# KiCad board NoU2-panelized.kicad_pcb (continued)
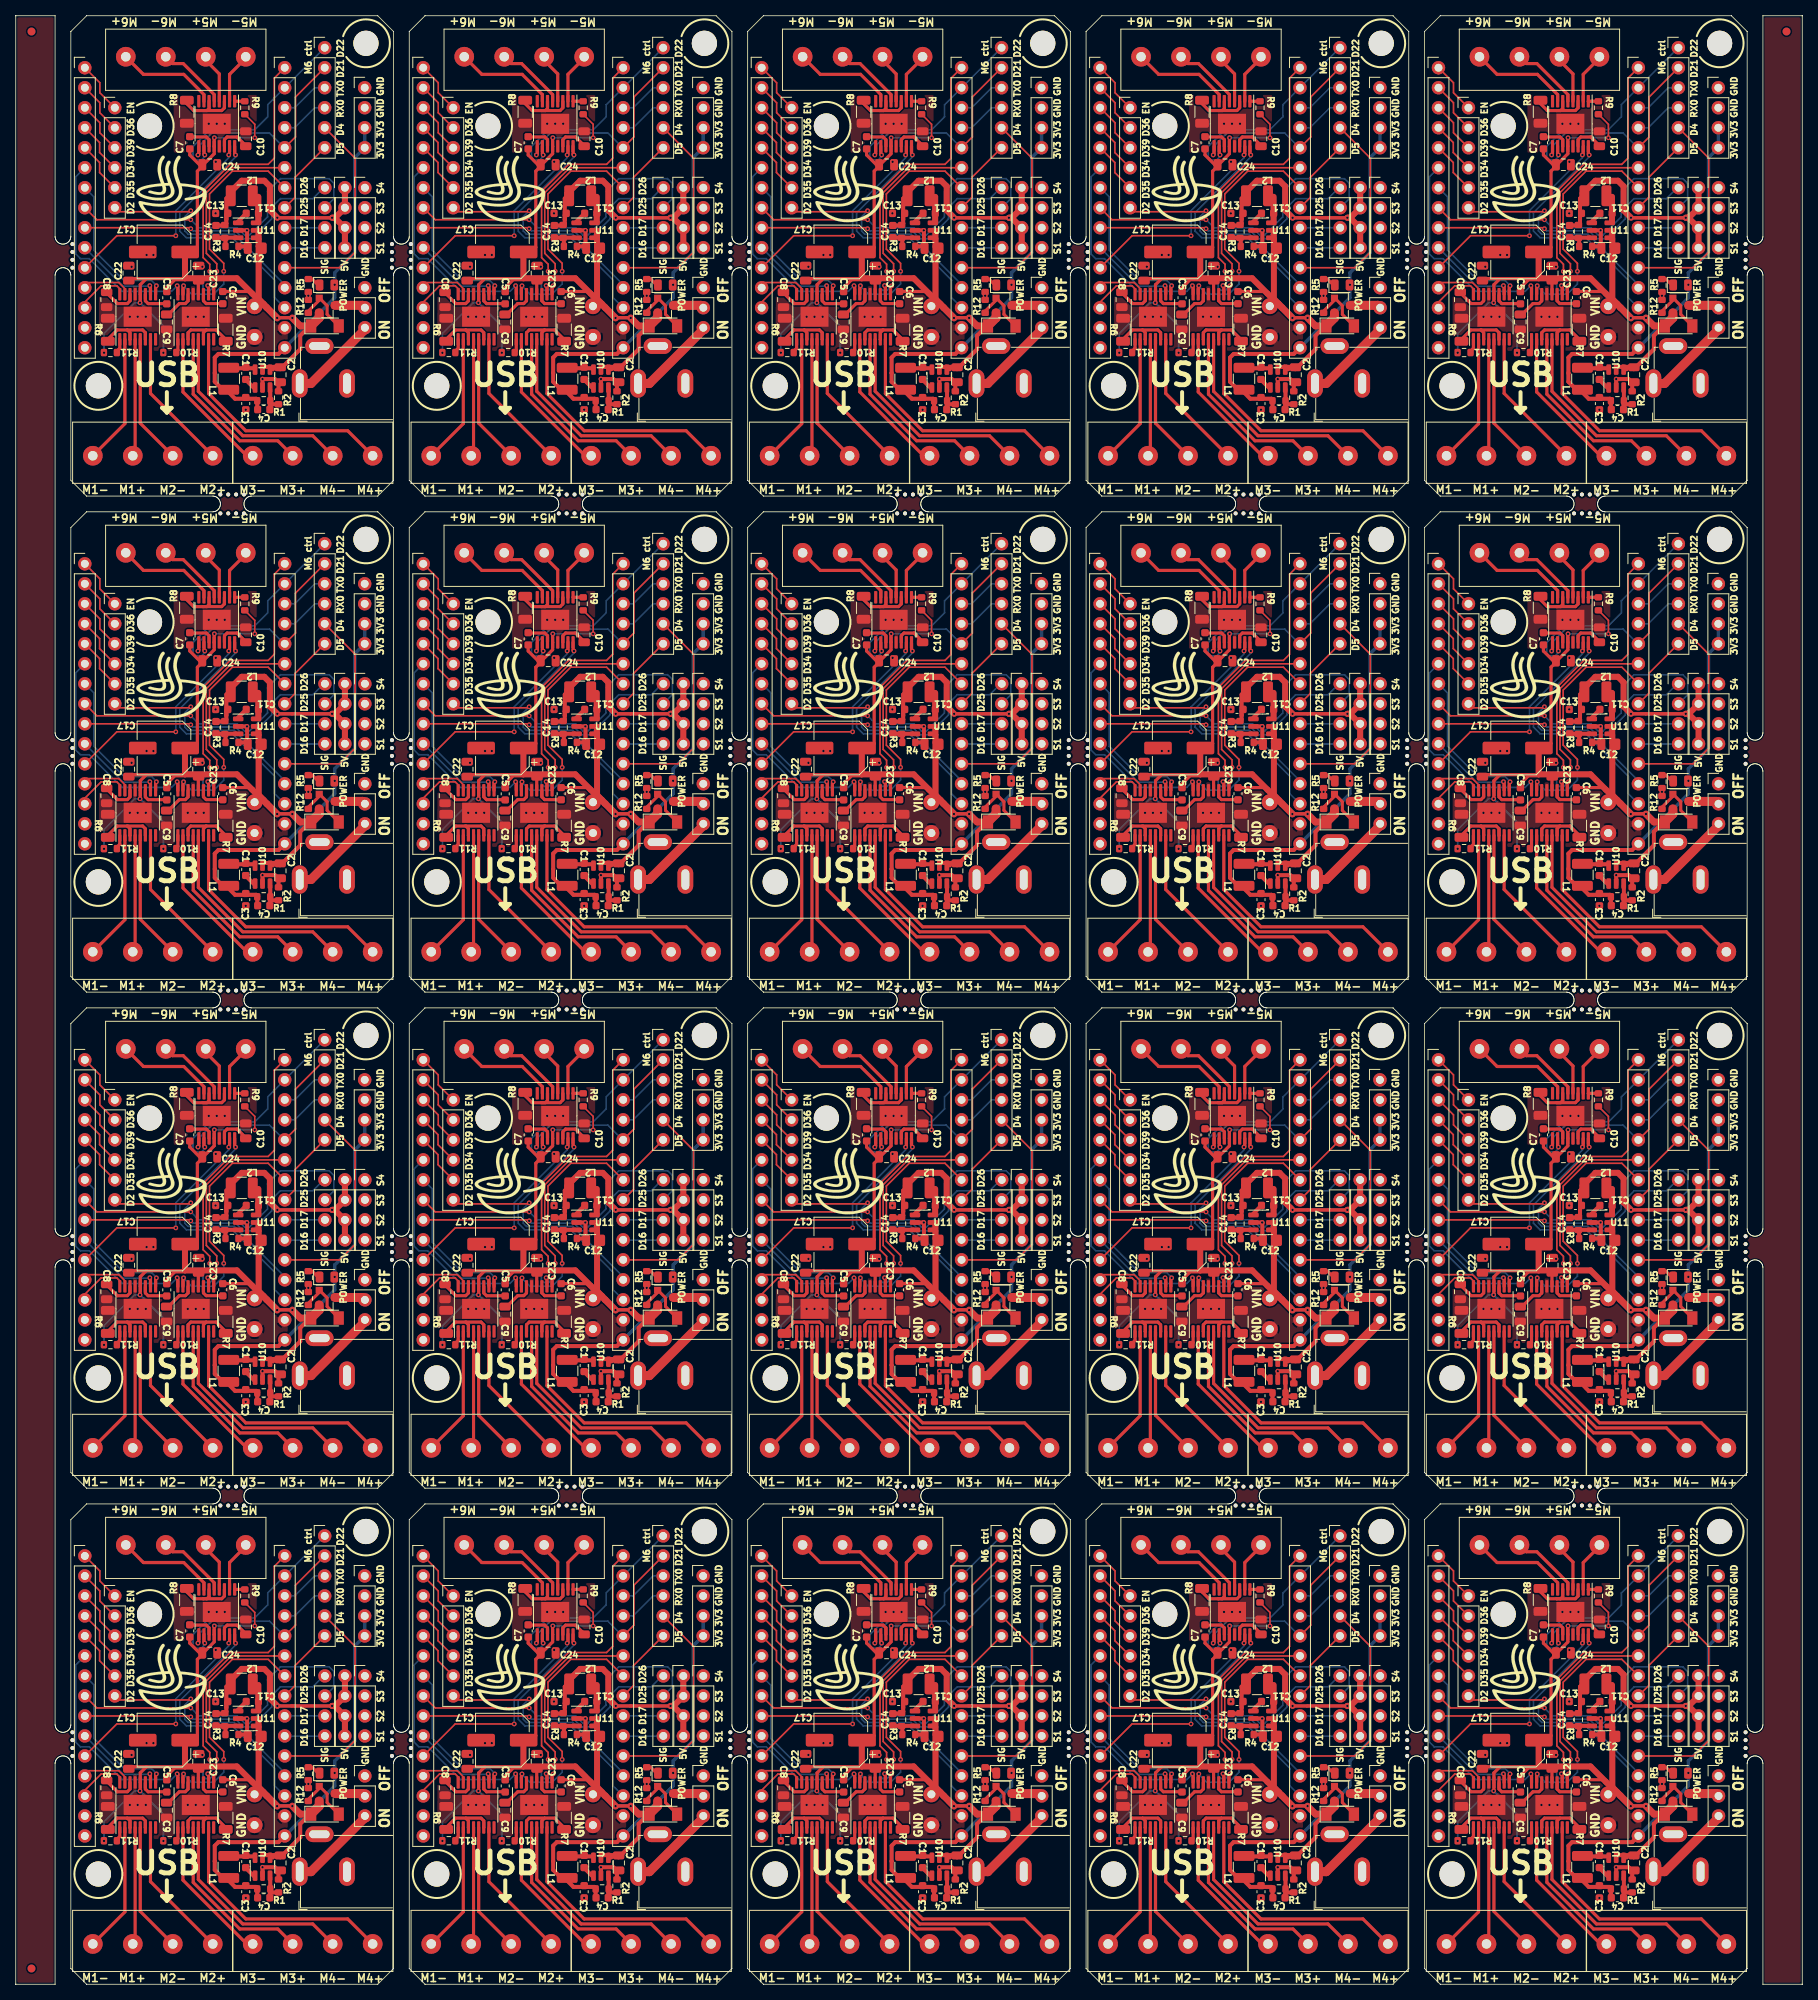
[diagram p0: board, top side]
## Placement (name value [footprint] x y rotation side) (continued)
U1#18  -  [HR8833]  58.5 85.77 90 top
U1#19  -  [HR8833]  58.5 22.77 90 top
U1#20  -  [HR8833]  187.5 211.77 90 top
U2  -  [HR8833]  68.54 47.28 270 top
U2#2  -  [HR8833]  25.54 236.28 270 top
U2#3  -  [HR8833]  154.54 110.28 270 top
U2#4  -  [HR8833]  25.54 110.28 270 top
U2#5  -  [HR8833]  111.54 173.28 270 top
U2#6  -  [HR8833]  111.54 236.28 270 top
U2#7  -  [HR8833]  25.54 173.28 270 top
U2#8  -  [HR8833]  197.54 173.28 270 top
U2#9  -  [HR8833]  197.54 110.28 270 top
U2#10  -  [HR8833]  68.54 173.28 270 top
U2#11  -  [HR8833]  111.54 47.28 270 top
U2#12  -  [HR8833]  154.54 173.28 270 top
U2#13  -  [HR8833]  68.54 110.28 270 top
U2#14  -  [HR8833]  154.54 236.28 270 top
U2#15  -  [HR8833]  197.54 47.28 270 top
U2#16  -  [HR8833]  154.54 47.28 270 top
U2#17  -  [HR8833]  25.54 47.28 270 top
U2#18  -  [HR8833]  111.54 110.28 270 top
U2#19  -  [HR8833]  68.54 236.28 270 top
U2#20  -  [HR8833]  197.54 236.28 270 top
U3  -  [HR8833]  22.88 22.77 90 top
U3#2  -  [HR8833]  22.88 148.77 90 top
U3#3  -  [HR8833]  194.88 148.77 90 top
U3#4  -  [HR8833]  108.88 85.77 90 top
U3#5  -  [HR8833]  22.88 211.77 90 top
U3#6  -  [HR8833]  108.88 22.77 90 top
U3#7  -  [HR8833]  65.88 22.77 90 top
U3#8  -  [HR8833]  151.88 85.77 90 top
U3#9  -  [HR8833]  151.88 148.77 90 top
U3#10  -  [HR8833]  151.88 22.77 90 top
U3#11  -  [HR8833]  65.88 85.77 90 top
U3#12  -  [HR8833]  108.88 211.77 90 top
U3#13  -  [HR8833]  65.88 148.77 90 top
U3#14  -  [HR8833]  65.88 211.77 90 top
U3#15  -  [HR8833]  151.88 211.77 90 top
U3#16  -  [HR8833]  194.88 211.77 90 top
U3#17  -  [HR8833]  194.88 85.77 90 top
U3#18  -  [HR8833]  22.88 85.77 90 top
U3#19  -  [HR8833]  108.88 148.77 90 top
U3#20  -  [HR8833]  194.88 22.77 90 top
U8  Switch1SPDT  [PinHeader_1x03_P2.54mm_Vertical]  87.36 89.46 0 top
U8#2  Switch1SPDT  [PinHeader_1x03_P2.54mm_Vertical]  44.36 215.46 0 top
U8#3  Switch1SPDT  [PinHeader_1x03_P2.54mm_Vertical]  44.36 89.46 0 top
U8#4  Switch1SPDT  [PinHeader_1x03_P2.54mm_Vertical]  130.36 215.46 0 top
U8#5  Switch1SPDT  [PinHeader_1x03_P2.54mm_Vertical]  216.36 89.46 0 top
U8#6  Switch1SPDT  [PinHeader_1x03_P2.54mm_Vertical]  130.36 26.46 0 top
U8#7  Switch1SPDT  [PinHeader_1x03_P2.54mm_Vertical]  173.36 215.46 0 top
U8#8  Switch1SPDT  [PinHeader_1x03_P2.54mm_Vertical]  87.36 152.46 0 top
U8#9  Switch1SPDT  [PinHeader_1x03_P2.54mm_Vertical]  130.36 89.46 0 top
U8#10  Switch1SPDT  [PinHeader_1x03_P2.54mm_Vertical]  216.36 215.46 0 top
U8#11  Switch1SPDT  [PinHeader_1x03_P2.54mm_Vertical]  216.36 26.46 0 top
U8#12  Switch1SPDT  [PinHeader_1x03_P2.54mm_Vertical]  173.36 26.46 0 top
U8#13  Switch1SPDT  [PinHeader_1x03_P2.54mm_Vertical]  173.36 89.46 0 top
U8#14  Switch1SPDT  [PinHeader_1x03_P2.54mm_Vertical]  87.36 26.46 0 top
U8#15  Switch1SPDT  [PinHeader_1x03_P2.54mm_Vertical]  44.36 152.46 0 top
U8#16  Switch1SPDT  [PinHeader_1x03_P2.54mm_Vertical]  216.36 152.46 0 top
U8#17  Switch1SPDT  [PinHeader_1x03_P2.54mm_Vertical]  173.36 152.46 0 top
U8#18  Switch1SPDT  [PinHeader_1x03_P2.54mm_Vertical]  87.36 215.46 0 top
U8#19  Switch1SPDT  [PinHeader_1x03_P2.54mm_Vertical]  130.36 152.46 0 top
U8#20  Switch1SPDT  [PinHeader_1x03_P2.54mm_Vertical]  44.36 26.46 0 top
U10  SY8113BADC  [TSOT-23-6]  160.36 203.92 90 top
U10#2  SY8113BADC  [TSOT-23-6]  203.36 203.92 90 top
U10#3  SY8113BADC  [TSOT-23-6]  203.36 77.92 90 top
U10#4  SY8113BADC  [TSOT-23-6]  74.36 140.92 90 top
U10#5  SY8113BADC  [TSOT-23-6]  74.36 77.92 90 top
U10#6  SY8113BADC  [TSOT-23-6]  31.36 203.92 90 top
U10#7  SY8113BADC  [TSOT-23-6]  117.36 14.92 90 top
U10#8  SY8113BADC  [TSOT-23-6]  117.36 140.92 90 top
U10#9  SY8113BADC  [TSOT-23-6]  203.36 140.92 90 top
U10#10  SY8113BADC  [TSOT-23-6]  31.36 140.92 90 top
U10#11  SY8113BADC  [TSOT-23-6]  203.36 14.92 90 top
U10#12  SY8113BADC  [TSOT-23-6]  74.36 14.92 90 top
U10#13  SY8113BADC  [TSOT-23-6]  31.36 77.92 90 top
U10#14  SY8113BADC  [TSOT-23-6]  160.36 14.92 90 top
U10#15  SY8113BADC  [TSOT-23-6]  74.36 203.92 90 top
U10#16  SY8113BADC  [TSOT-23-6]  160.36 140.92 90 top
U10#17  SY8113BADC  [TSOT-23-6]  117.36 203.92 90 top
U10#18  SY8113BADC  [TSOT-23-6]  160.36 77.92 90 top
U10#19  SY8113BADC  [TSOT-23-6]  117.36 77.92 90 top
U10#20  SY8113BADC  [TSOT-23-6]  31.36 14.92 90 top
U11  SY8113BADC  [TSOT-23-6]  29.4 96.75 0 top
U11#2  SY8113BADC  [TSOT-23-6]  29.4 222.75 0 top
U11#3  SY8113BADC  [TSOT-23-6]  201.4 159.75 0 top
U11#4  SY8113BADC  [TSOT-23-6]  29.4 33.75 0 top
U11#5  SY8113BADC  [TSOT-23-6]  158.4 159.75 0 top
U11#6  SY8113BADC  [TSOT-23-6]  29.4 159.75 0 top
U11#7  SY8113BADC  [TSOT-23-6]  158.4 96.75 0 top
U11#8  SY8113BADC  [TSOT-23-6]  115.4 222.75 0 top
U11#9  SY8113BADC  [TSOT-23-6]  72.4 222.75 0 top
U11#10  SY8113BADC  [TSOT-23-6]  115.4 96.75 0 top
U11#11  SY8113BADC  [TSOT-23-6]  72.4 159.75 0 top
U11#12  SY8113BADC  [TSOT-23-6]  115.4 33.75 0 top
U11#13  SY8113BADC  [TSOT-23-6]  72.4 33.75 0 top
U11#14  SY8113BADC  [TSOT-23-6]  201.4 96.75 0 top
U11#15  SY8113BADC  [TSOT-23-6]  201.4 222.75 0 top
U11#16  SY8113BADC  [TSOT-23-6]  201.4 33.75 0 top
U11#17  SY8113BADC  [TSOT-23-6]  158.4 222.75 0 top
U11#18  SY8113BADC  [TSOT-23-6]  72.4 96.75 0 top
U11#19  SY8113BADC  [TSOT-23-6]  115.4 159.75 0 top
U11#20  SY8113BADC  [TSOT-23-6]  158.4 33.75 0 top

## Library data of the parts
C1 C1#2-C1#20 C11 C11#2-C11#20 = -: LCSC: C14663
C2 C2#2-C2#20 C8 C8#2-C8#20 C9 C9#2-C9#20 C10 C10#2-C10#20 C12 C12#2-C12#20 C22 C22#2-C22#20 C23 C23#2-C23#20 C24 C24#2-C24#20 = -: LCSC: C15850
C3 C3#2-C3#20 C13 C13#2-C13#20 = -: LCSC: C59461
C4 C4#2-C4#20 C14 C14#2-C14#20 = -: LCSC: C1653
C5 C5#2-C5#20 C6 C6#2-C6#20 C7 C7#2-C7#20 = -: LCSC: C57112
C17 C17#2-C17#20 = -: LCSC: C176675
D1 D1#2-D1#20 = -: LCSC: C2296
D2 D2#2-D2#20 = -: LCSC: C8062
L1 L1#2-L1#20 L2 L2#2-L2#20 = -: LCSC: C86070
Q1 Q1#2-Q1#20 = -: LCSC: C15127
R1 R1#2-R1#20 R3 R3#2-R3#20 = -: LCSC: C25803
R2 R2#2-R2#20 R9 R9#2-R9#20 R10 R10#2-R10#20 R11 R11#2-R11#20 = -: LCSC: C31850
R4 R4#2-R4#20 = -: LCSC: C22797
R5 R5#2-R5#20 = -: LCSC: C21190
R6 R6#2-R6#20 R7 R7#2-R7#20 R8 R8#2-R8#20 = -: LCSC: C25334
R12 R12#2-R12#20 = -: LCSC: C25804
U1 U1#2-U1#20 U2 U2#2-U2#20 U3 U3#2-U3#20 = -: LCSC: C128666
U10 U10#2-U10#20 U11 U11#2-U11#20 = -: LCSC: C78989

## Footprints (pads in the part's own frame, mm; a bottom-side part is the same pattern mirrored in y, then rotated)
BarrelJack_Horizontal_Good
  rrect 2x3.6 hole 1x2.6: 1(0,0) 2(-6,0)
  rrect 3.6x2 hole 2.6x1: 3(-2.5,-4.75)
C_0603_1608Metric
  rrect 0.9x0.95 smd: 1(-0.775,0) 2(0.775,0)
C_0805_2012Metric
  rrect 1x1.45 smd: 1(-0.95,0) 2(0.95,0)
CP_Elec_6.3x7.7
  rrect 3.5x1.6 smd: 1(-2.7,0) 2(2.7,0)
D_MiniMELF
  rect 1.3x1.7 smd: 1(-1.75,0) 2(1.75,0)
Fiducial
  round 1 smd: (0,0)
HR8833
  rect 2.54x3.556 smd: (0,0) 17(0,0)
  rect 2.794x3.81 smd: (0,0)
  rrect 1.575x0.4 smd: 1(-2.862,2.275) 2(-2.862,1.625) 3(-2.862,0.975) 4(-2.862,0.325) 5(-2.862,-0.325) 6(-2.862,-0.975) 7(-2.862,-1.625) 8(-2.862,-2.275) 9(2.862,-2.275) 10(2.862,-1.625) 11(2.862,-0.975) 12(2.862,-0.325) 13(2.862,0.325) 14(2.862,0.975) 15(2.862,1.625) 16(2.862,2.275)
L_1210_3225Metric
  rrect 1.25x2.65 smd: 1(-1.4,0) 2(1.4,0)
LED_0805_2012Metric
  rrect 0.975x1.4 smd: 1(-0.938,0) 2(0.938,0)
MountingHole_3.2mm_M3
  round 3.2 hole 3.2 unplated: (0,0)
NPTH
  round 0.5 hole 0.5 unplated: (0,0)
PinHeader_1x03_P2.54mm_Vertical
  round 1.7 hole 1: 1(0,0)
  oval 1.7x1.7 hole 1: 2(0,-2.54) 3(0,-5.08)
PinHeader_1x04_P2.54mm_Vertical
  round 1.7 hole 1: 1(0,0)
  oval 1.7x1.7 hole 1: 2(0,-2.54) 3(0,-5.08) 4(0,-7.62)
PinHeader_1x06_P2.54mm_Vertical
  round 1.7 hole 1: 1(0,0)
  oval 1.7x1.7 hole 1: 2(0,-2.54) 3(0,-5.08) 4(0,-7.62) 5(0,-10.16) 6(0,-12.7)
PinHeader_1x15_P2.54mm_Vertical
  round 1.7 hole 1: 1(0,0)
  oval 1.7x1.7 hole 1: 2(0,-2.54) 3(0,-5.08) 4(0,-7.62) 5(0,-10.16) 6(0,-12.7) 7(0,-15.24) 8(0,-17.78) 9(0,-20.32) 10(0,-22.86) 11(0,-25.4) 12(0,-27.94) 13(0,-30.48) 14(0,-33.02) 15(0,-35.56)
PinSocket_1x01_P2.54mm_Vertical
  round 2.032 hole 1.016: 1(0,0)
R_0603_1608Metric
  rrect 0.8x0.95 smd: 1(-0.825,0) 2(0.825,0)
R_1206_3216Metric
  rrect 1.125x1.75 smd: 1(-1.462,0) 2(1.462,0)
SOT-23
  rect 0.9x0.8 smd: 1(-1,0.95) 2(-1,-0.95) 3(1,0)
TerminalBlock_bornier-4_P5.08mm
  round 2.5 hole 1.2: 1(0,0) 2(5.08,0) 3(10.16,0) 4(15.24,0)
TSOT-23-6
  rrect 1.325x0.6 smd: 1(-1.137,0.95) 2(-1.137,0) 3(-1.137,-0.95) 4(1.137,-0.95) 5(1.137,0) 6(1.137,0.95)

## Nets
Board_0-3V3: C3#14.2 C4#2.2 D1#7.2 J3#18.3 J3#18.4 J11#7.15 L1#19.2 R1#19.1
Board_0-5V: C13#11.2 C14#19.2 J12#11.1 J12#11.2 J12#11.3 J12#11.4 L2#17.2 R3#15.1
Board_0-/D16: J2#20.4
Board_0-/D17: J2#20.3
Board_0-/D34: J4#17.4
Board_0-/D35: J4#17.5
Board_0-/D36: J4#17.2
Board_0-/D39: J4#17.3
Board_0-/EN: J4#17.1
Board_0-/Sheet6057E9B8/D16: J11#7.10
Board_0-/Sheet6057E9B8/D17: J11#7.9
Board_0-/Sheet6057E9B8/D34: J10#15.4
Board_0-/Sheet6057E9B8/D35: J10#15.5
Board_0-/Sheet6057E9B8/D36: J10#15.2
Board_0-/Sheet6057E9B8/D39: J10#15.3
Board_0-/Sheet6057E9B8/EN: J10#15.1
Board_0-/Sheet6057E9B8/EVIN: J10#15.15
Board_0-D2: J4#17.6 J11#7.12
Board_0-D4: J1#4.5 J11#7.11
Board_0-D5: J1#4.6 J11#7.8
Board_0-D25: J2#20.2 J10#15.8
Board_0-D26: J2#20.1 J10#15.9
Board_0-GND: C2#14.1 C3#14.1 C8#7.2 C9.2 C10#6.2 C12#6.1 C13#11.1 C17#18.2 C22#16.2 C23#12.2 C24#18.2 J3#18.1 J3#18.2 J5.1 J5.2 J5.3 J5.4 J9#16.2 J10#15.14 J11#7.14 J13#18.1 R2#20.2 R4#13.2 R5#4.1 R6#11.1 R7#2.1 R8#7.1 R12#18.2 U1#10.13 U1#10.17 U2#2.13 U2#2.17 U3#5.13 U3#5.17 U10#6.2 U11#2.2
Board_0-M1A: J10#15.13 U1#10.16
Board_0-M1B: J10#15.12 U1#10.15
Board_0-M2A: J10#15.10 U1#10.10
Board_0-M2B: J10#15.7 U1#10.9
Board_0-M3A: J10#15.6 U3#5.16
Board_0-M3B: J11#7.7 U3#5.15
Board_0-M4A: J11#7.6 U3#5.10
Board_0-M4B: J11#7.1 U3#5.9
Board_0-M5A: J11#7.13 U2#2.16
Board_0-M5B: J10#15.11 U2#2.15
Board_0-M6A: J1#4.1 J11#7.2 U2#2.10
Board_0-M6B: J1#4.2 J11#7.5 U2#2.9
Board_0-Net-(C1-Pad1): C1#15.1 L1#19.1 U10#6.6
Board_0-Net-(C1-Pad2): C1#15.2 U10#6.1
Board_0-Net-(C4-Pad1): C4#2.1 R1#19.2 R2#20.1 U10#6.3
Board_0-Net-(C5-Pad2): C5#16.2 U1#10.11
Board_0-Net-(C6-Pad2): C6#9.2 U3#5.11
Board_0-Net-(C7-Pad2): C7#14.2 U2#2.11
Board_0-Net-(C8-Pad1): C8#7.1 U1#10.14
Board_0-Net-(C9-Pad1): C9.1 U3#5.14
Board_0-Net-(C10-Pad1): C10#6.1 U2#2.14
Board_0-Net-(C11-Pad1): C11#2.1 L2#17.1 U11#2.6
Board_0-Net-(C11-Pad2): C11#2.2 U11#2.1
Board_0-Net-(C14-Pad1): C14#19.1 R3#15.2 R4#13.1 U11#2.3
Board_0-Net-(D1-Pad1): D1#7.1 R5#4.2
Board_0-Net-(D2-Pad2): D2#15.2 Q1#2.1 R12#18.1
Board_0-Net-(J6-Pad1): J6#8.1 U1#10.2
Board_0-Net-(J6-Pad2): J6#8.2 U1#10.4
Board_0-Net-(J6-Pad3): J6#8.3 U1#10.5
Board_0-Net-(J6-Pad4): J6#8.4 U1#10.7
Board_0-Net-(J7-Pad1): J7#9.1 U3#5.2
Board_0-Net-(J7-Pad2): J7#9.2 U3#5.4
Board_0-Net-(J7-Pad3): J7#9.3 U3#5.5
Board_0-Net-(J7-Pad4): J7#9.4 U3#5.7
Board_0-Net-(J8-Pad1): J8#6.1 U2#2.2
Board_0-Net-(J8-Pad2): J8#6.2 U2#2.4
Board_0-Net-(J8-Pad3): J8#6.3 U2#2.5
Board_0-Net-(J8-Pad4): J8#6.4 U2#2.7
Board_0-Net-(J9-Pad1): J9#16.1 U8#2.3
Board_0-Net-(Q1-Pad3): Q1#2.3 U8#2.2
Board_0-Net-(R6-Pad2): R6#11.2 U1#10.3 U1#10.6
Board_0-Net-(R7-Pad2): R7#2.2 U3#5.3 U3#5.6
Board_0-Net-(R8-Pad2): R8#7.2 U2#2.3 U2#2.6
Board_0-Net-(R9-Pad1): R9#3.1 U2#2.1
Board_0-Net-(R10-Pad1): R10#17.1 U3#5.1
Board_0-Net-(R11-Pad1): R11#16.1 U1#10.1
Board_0-RX0: J1#4.4 J11#7.4
Board_0-TX0: J1#4.3 J11#7.3
Board_0-unconnected-(U1-Pad8): U1#10.8
Board_0-unconnected-(U2-Pad8): U2#2.8
Board_0-unconnected-(U3-Pad8): U3#5.8
Board_0-unconnected-(U8-Pad1): U8#2.1
Board_0-VIN: C2#14.2 C5#16.1 C6#9.1 C7#14.1 C12#6.2 C17#18.1 C22#16.1 C23#12.1 C24#18.1 D2#15.1 J14#3.1 Q1#2.2 R9#3.2 R10#17.2 R11#16.2 U1#10.12 U2#2.12 U3#5.12 U10#6.4 U10#6.5 U11#2.4 U11#2.5
Board_1-3V3: C3#9.2 C4#13.2 D1#14.2 J3#20.3 J3#20.4 J11#14.15 L1#14.2 R1#11.1
Board_1-5V: C13.2 C14#6.2 J12#6.1 J12#6.2 J12#6.3 J12#6.4 L2#14.2 R3#12.1
Board_1-/D16: J2#7.4
Board_1-/D17: J2#7.3
Board_1-/D34: J4#5.4
Board_1-/D35: J4#5.5
Board_1-/D36: J4#5.2
Board_1-/D39: J4#5.3
Board_1-/EN: J4#5.1
Board_1-/Sheet6057E9B8/D16: J11#14.10
Board_1-/Sheet6057E9B8/D17: J11#14.9
Board_1-/Sheet6057E9B8/D34: J10#18.4
Board_1-/Sheet6057E9B8/D35: J10#18.5
Board_1-/Sheet6057E9B8/D36: J10#18.2
Board_1-/Sheet6057E9B8/D39: J10#18.3
Board_1-/Sheet6057E9B8/EN: J10#18.1
Board_1-/Sheet6057E9B8/EVIN: J10#18.15
Board_1-D2: J4#5.6 J11#14.12
Board_1-D4: J1#16.5 J11#14.11
Board_1-D5: J1#16.6 J11#14.8
Board_1-D25: J2#7.2 J10#18.8
Board_1-D26: J2#7.1 J10#18.9
Board_1-GND: C2#6.1 C3#9.1 C8#18.2 C9#10.2 C10.2 C12#17.1 C13.1 C17#5.2 C22#19.2 C23#10.2 C24#19.2 J3#20.1 J3#20.2 J5#18.1 J5#18.2 J5#18.3 J5#18.4 J9#15.2 J10#18.14 J11#14.14 J13#5.1 R2#19.2 R4#3.2 R5#5.1 R6#4.1 R7#19.1 R8#18.1 R12#4.2 U1#3.13 U1#3.17 U2#19.13 U2#19.17 U3#14.13 U3#14.17 U10#15.2 U11#9.2
Board_1-M1A: J10#18.13 U1#3.16
Board_1-M1B: J10#18.12 U1#3.15
Board_1-M2A: J10#18.10 U1#3.10
Board_1-M2B: J10#18.7 U1#3.9
Board_1-M3A: J10#18.6 U3#14.16
Board_1-M3B: J11#14.7 U3#14.15
Board_1-M4A: J11#14.6 U3#14.10
Board_1-M4B: J11#14.1 U3#14.9
Board_1-M5A: J11#14.13 U2#19.16
Board_1-M5B: J10#18.11 U2#19.15
Board_1-M6A: J1#16.1 J11#14.2 U2#19.10
Board_1-M6B: J1#16.2 J11#14.5 U2#19.9
Board_1-Net-(C1-Pad1): C1#13.1 L1#14.1 U10#15.6
Board_1-Net-(C1-Pad2): C1#13.2 U10#15.1
Board_1-Net-(C4-Pad1): C4#13.1 R1#11.2 R2#19.1 U10#15.3
Board_1-Net-(C5-Pad2): C5#11.2 U1#3.11
Board_1-Net-(C6-Pad2): C6#7.2 U3#14.11
Board_1-Net-(C7-Pad2): C7#13.2 U2#19.11
Board_1-Net-(C8-Pad1): C8#18.1 U1#3.14
Board_1-Net-(C9-Pad1): C9#10.1 U3#14.14
Board_1-Net-(C10-Pad1): C10.1 U2#19.14
Board_1-Net-(C11-Pad1): C11#19.1 L2#14.1 U11#9.6
Board_1-Net-(C11-Pad2): C11#19.2 U11#9.1
Board_1-Net-(C14-Pad1): C14#6.1 R3#12.2 R4#3.1 U11#9.3
Board_1-Net-(D1-Pad1): D1#14.1 R5#5.2
Board_1-Net-(D2-Pad2): D2#3.2 Q1#10.1 R12#4.1
Board_1-Net-(J6-Pad1): J6.1 U1#3.2
Board_1-Net-(J6-Pad2): J6.2 U1#3.4
Board_1-Net-(J6-Pad3): J6.3 U1#3.5
Board_1-Net-(J6-Pad4): J6.4 U1#3.7
Board_1-Net-(J7-Pad1): J7#20.1 U3#14.2
Board_1-Net-(J7-Pad2): J7#20.2 U3#14.4
Board_1-Net-(J7-Pad3): J7#20.3 U3#14.5
Board_1-Net-(J7-Pad4): J7#20.4 U3#14.7
Board_1-Net-(J8-Pad1): J8#10.1 U2#19.2
Board_1-Net-(J8-Pad2): J8#10.2 U2#19.4
Board_1-Net-(J8-Pad3): J8#10.3 U2#19.5
Board_1-Net-(J8-Pad4): J8#10.4 U2#19.7
Board_1-Net-(J9-Pad1): J9#15.1 U8#18.3
Board_1-Net-(Q1-Pad3): Q1#10.3 U8#18.2
Board_1-Net-(R6-Pad2): R6#4.2 U1#3.3 U1#3.6
Board_1-Net-(R7-Pad2): R7#19.2 U3#14.3 U3#14.6
Board_1-Net-(R8-Pad2): R8#18.2 U2#19.3 U2#19.6
Board_1-Net-(R9-Pad1): R9#9.1 U2#19.1
Board_1-Net-(R10-Pad1): R10#16.1 U3#14.1
Board_1-Net-(R11-Pad1): R11.1 U1#3.1
Board_1-RX0: J1#16.4 J11#14.4
Board_1-TX0: J1#16.3 J11#14.3
Board_1-unconnected-(U1-Pad8): U1#3.8
Board_1-unconnected-(U2-Pad8): U2#19.8
Board_1-unconnected-(U3-Pad8): U3#14.8
Board_1-unconnected-(U8-Pad1): U8#18.1
Board_1-VIN: C2#6.2 C5#11.1 C6#7.1 C7#13.1 C12#17.2 C17#5.1 C22#19.1 C23#10.1 C24#19.1 D2#3.1 J14.1 Q1#10.2 R9#9.2 R10#16.2 R11.2 U1#3.12 U2#19.12 U3#14.12 U10#15.4 U10#15.5 U11#9.4 U11#9.5
Board_2-3V3: C3#11.2 C4#19.2 D1#16.2 J3#9.3 J3#9.4 J11#12.15 L1#9.2 R1#6.1
Board_2-5V: C13#2.2 C14.2 J12#18.1 J12#18.2 J12#18.3 J12#18.4 L2#11.2 R3#14.1
Board_2-/D16: J2#13.4
Board_2-/D17: J2#13.3
Board_2-/D34: J4#15.4
Board_2-/D35: J4#15.5
Board_2-/D36: J4#15.2
Board_2-/D39: J4#15.3
Board_2-/EN: J4#15.1
Board_2-/Sheet6057E9B8/D16: J11#12.10
Board_2-/Sheet6057E9B8/D17: J11#12.9
Board_2-/Sheet6057E9B8/D34: J10#11.4
Board_2-/Sheet6057E9B8/D35: J10#11.5
Board_2-/Sheet6057E9B8/D36: J10#11.2
Board_2-/Sheet6057E9B8/D39: J10#11.3
Board_2-/Sheet6057E9B8/EN: J10#11.1
Board_2-/Sheet6057E9B8/EVIN: J10#11.15
Board_2-D2: J4#15.6 J11#12.12
Board_2-D4: J1#5.5 J11#12.11
Board_2-D5: J1#5.6 J11#12.8
Board_2-D25: J2#13.2 J10#11.8
Board_2-D26: J2#13.1 J10#11.9
Board_2-GND: C2#19.1 C3#11.1 C8#10.2 C9#16.2 C10#7.2 C12#15.1 C13#2.1 C17#8.2 C22#2.2 C23#20.2 C24#17.2 J3#9.1 J3#9.2 J5#15.1 J5#15.2 J5#15.3 J5#15.4 J9#9.2 J10#11.14 J11#12.14 J13#7.1 R2#17.2 R4#5.2 R5#7.1 R6#9.1 R7#7.1 R8.1 R12#8.2 U1#7.13 U1#7.17 U2#6.13 U2#6.17 U3#12.13 U3#12.17 U10#17.2 U11#8.2
Board_2-M1A: J10#11.13 U1#7.16
Board_2-M1B: J10#11.12 U1#7.15
Board_2-M2A: J10#11.10 U1#7.10
Board_2-M2B: J10#11.7 U1#7.9
Board_2-M3A: J10#11.6 U3#12.16
Board_2-M3B: J11#12.7 U3#12.15
Board_2-M4A: J11#12.6 U3#12.10
Board_2-M4B: J11#12.1 U3#12.9
Board_2-M5A: J11#12.13 U2#6.16
Board_2-M5B: J10#11.11 U2#6.15
Board_2-M6A: J1#5.1 J11#12.2 U2#6.10
Board_2-M6B: J1#5.2 J11#12.5 U2#6.9
Board_2-Net-(C1-Pad1): C1#17.1 L1#9.1 U10#17.6
Board_2-Net-(C1-Pad2): C1#17.2 U10#17.1
Board_2-Net-(C4-Pad1): C4#19.1 R1#6.2 R2#17.1 U10#17.3
Board_2-Net-(C5-Pad2): C5#9.2 U1#7.11
Board_2-Net-(C6-Pad2): C6#8.2 U3#12.11
Board_2-Net-(C7-Pad2): C7#10.2 U2#6.11
Board_2-Net-(C8-Pad1): C8#10.1 U1#7.14
Board_2-Net-(C9-Pad1): C9#16.1 U3#12.14
Board_2-Net-(C10-Pad1): C10#7.1 U2#6.14
Board_2-Net-(C11-Pad1): C11#9.1 L2#11.1 U11#8.6
Board_2-Net-(C11-Pad2): C11#9.2 U11#8.1
Board_2-Net-(C14-Pad1): C14.1 R3#14.2 R4#5.1 U11#8.3
Board_2-Net-(D1-Pad1): D1#16.1 R5#7.2
Board_2-Net-(D2-Pad2): D2#12.2 Q1#3.1 R12#8.1
Board_2-Net-(J6-Pad1): J6#12.1 U1#7.2
Board_2-Net-(J6-Pad2): J6#12.2 U1#7.4
Board_2-Net-(J6-Pad3): J6#12.3 U1#7.5
Board_2-Net-(J6-Pad4): J6#12.4 U1#7.7
Board_2-Net-(J7-Pad1): J7#17.1 U3#12.2
Board_2-Net-(J7-Pad2): J7#17.2 U3#12.4
Board_2-Net-(J7-Pad3): J7#17.3 U3#12.5
Board_2-Net-(J7-Pad4): J7#17.4 U3#12.7
Board_2-Net-(J8-Pad1): J8#4.1 U2#6.2
Board_2-Net-(J8-Pad2): J8#4.2 U2#6.4
Board_2-Net-(J8-Pad3): J8#4.3 U2#6.5
Board_2-Net-(J8-Pad4): J8#4.4 U2#6.7
Board_2-Net-(J9-Pad1): J9#9.1 U8#4.3
Board_2-Net-(Q1-Pad3): Q1#3.3 U8#4.2
Board_2-Net-(R6-Pad2): R6#9.2 U1#7.3 U1#7.6
Board_2-Net-(R7-Pad2): R7#7.2 U3#12.3 U3#12.6
Board_2-Net-(R8-Pad2): R8.2 U2#6.3 U2#6.6
Board_2-Net-(R9-Pad1): R9#4.1 U2#6.1
Board_2-Net-(R10-Pad1): R10#6.1 U3#12.1
Board_2-Net-(R11-Pad1): R11#18.1 U1#7.1
Board_2-RX0: J1#5.4 J11#12.4
Board_2-TX0: J1#5.3 J11#12.3
Board_2-unconnected-(U1-Pad8): U1#7.8
Board_2-unconnected-(U2-Pad8): U2#6.8
Board_2-unconnected-(U3-Pad8): U3#12.8
Board_2-unconnected-(U8-Pad1): U8#4.1
Board_2-VIN: C2#19.2 C5#9.1 C6#8.1 C7#10.1 C12#15.2 C17#8.1 C22#2.1 C23#20.1 C24#17.1 D2#12.1 J14#7.1 Q1#3.2 R9#4.2 R10#6.2 R11#18.2 U1#7.12 U2#6.12 U3#12.12 U10#17.4 U10#17.5 U11#8.4 U11#8.5
Board_3-3V3: C3#3.2 C4#18.2 D1#12.2 J3#2.3 J3#2.4 J11#9.15 L1#3.2 R1#18.1
Board_3-5V: C13#3.2 C14#10.2 J12#10.1 J12#10.2 J12#10.3 J12#10.4 L2#16.2 R3#11.1
Board_3-/D16: J2#12.4
Board_3-/D17: J2#12.3
Board_3-/D34: J4#8.4
Board_3-/D35: J4#8.5
Board_3-/D36: J4#8.2
Board_3-/D39: J4#8.3
Board_3-/EN: J4#8.1
Board_3-/Sheet6057E9B8/D16: J11#9.10
Board_3-/Sheet6057E9B8/D17: J11#9.9
Board_3-/Sheet6057E9B8/D34: J10#20.4
Board_3-/Sheet6057E9B8/D35: J10#20.5
Board_3-/Sheet6057E9B8/D36: J10#20.2
Board_3-/Sheet6057E9B8/D39: J10#20.3
Board_3-/Sheet6057E9B8/EN: J10#20.1
Board_3-/Sheet6057E9B8/EVIN: J10#20.15
Board_3-D2: J4#8.6 J11#9.12
Board_3-D4: J1#13.5 J11#9.11
Board_3-D5: J1#13.6 J11#9.8
Board_3-D25: J2#12.2 J10#20.8
Board_3-D26: J2#12.1 J10#20.9
Board_3-GND: C2#18.1 C3#3.1 C8#4.2 C9#6.2 C10#2.2 C12#7.1 C13#3.1 C17#7.2 C22#4.2 C23#2.2 C24#11.2 J3#2.1 J3#2.2 J5#3.1 J5#3.2 J5#3.3 J5#3.4 J9#6.2 J10#20.14 J11#9.14 J13#2.1 R2#12.2 R4#20.2 R5#13.1 R6#7.1 R7#10.1 R8#14.1 R12#12.2 U1#16.13 U1#16.17 U2#14.13 U2#14.17 U3#15.13 U3#15.17 U10.2 U11#17.2
Board_3-M1A: J10#20.13 U1#16.16
Board_3-M1B: J10#20.12 U1#16.15
Board_3-M2A: J10#20.10 U1#16.10
Board_3-M2B: J10#20.7 U1#16.9
Board_3-M3A: J10#20.6 U3#15.16
Board_3-M3B: J11#9.7 U3#15.15
Board_3-M4A: J11#9.6 U3#15.10
Board_3-M4B: J11#9.1 U3#15.9
Board_3-M5A: J11#9.13 U2#14.16
Board_3-M5B: J10#20.11 U2#14.15
Board_3-M6A: J1#13.1 J11#9.2 U2#14.10
Board_3-M6B: J1#13.2 J11#9.5 U2#14.9
Board_3-Net-(C1-Pad1): C1#19.1 L1#3.1 U10.6
Board_3-Net-(C1-Pad2): C1#19.2 U10.1
Board_3-Net-(C4-Pad1): C4#18.1 R1#18.2 R2#12.1 U10.3
Board_3-Net-(C5-Pad2): C5#18.2 U1#16.11
Board_3-Net-(C6-Pad2): C6#12.2 U3#15.11
Board_3-Net-(C7-Pad2): C7#17.2 U2#14.11
Board_3-Net-(C8-Pad1): C8#4.1 U1#16.14
Board_3-Net-(C9-Pad1): C9#6.1 U3#15.14
Board_3-Net-(C10-Pad1): C10#2.1 U2#14.14
Board_3-Net-(C11-Pad1): C11#3.1 L2#16.1 U11#17.6
Board_3-Net-(C11-Pad2): C11#3.2 U11#17.1
Board_3-Net-(C14-Pad1): C14#10.1 R3#11.2 R4#20.1 U11#17.3
Board_3-Net-(D1-Pad1): D1#12.1 R5#13.2
Board_3-Net-(D2-Pad2): D2#5.2 Q1#11.1 R12#12.1
Board_3-Net-(J6-Pad1): J6#9.1 U1#16.2
Board_3-Net-(J6-Pad2): J6#9.2 U1#16.4
Board_3-Net-(J6-Pad3): J6#9.3 U1#16.5
Board_3-Net-(J6-Pad4): J6#9.4 U1#16.7
Board_3-Net-(J7-Pad1): J7#6.1 U3#15.2
Board_3-Net-(J7-Pad2): J7#6.2 U3#15.4
Board_3-Net-(J7-Pad3): J7#6.3 U3#15.5
Board_3-Net-(J7-Pad4): J7#6.4 U3#15.7
Board_3-Net-(J8-Pad1): J8#15.1 U2#14.2
Board_3-Net-(J8-Pad2): J8#15.2 U2#14.4
Board_3-Net-(J8-Pad3): J8#15.3 U2#14.5
Board_3-Net-(J8-Pad4): J8#15.4 U2#14.7
Board_3-Net-(J9-Pad1): J9#6.1 U8#7.3
Board_3-Net-(Q1-Pad3): Q1#11.3 U8#7.2
Board_3-Net-(R6-Pad2): R6#7.2 U1#16.3 U1#16.6
Board_3-Net-(R7-Pad2): R7#10.2 U3#15.3 U3#15.6
Board_3-Net-(R8-Pad2): R8#14.2 U2#14.3 U2#14.6
Board_3-Net-(R9-Pad1): R9#12.1 U2#14.1
Board_3-Net-(R10-Pad1): R10#15.1 U3#15.1
Board_3-Net-(R11-Pad1): R11#6.1 U1#16.1
Board_3-RX0: J1#13.4 J11#9.4
Board_3-TX0: J1#13.3 J11#9.3
Board_3-unconnected-(U1-Pad8): U1#16.8
Board_3-unconnected-(U2-Pad8): U2#14.8
Board_3-unconnected-(U3-Pad8): U3#15.8
Board_3-unconnected-(U8-Pad1): U8#7.1
Board_3-VIN: C2#18.2 C5#18.1 C6#12.1 C7#17.1 C12#7.2 C17#7.1 C22#4.1 C23#2.1 C24#11.1 D2#5.1 J14#13.1 Q1#11.2 R9#12.2 R10#15.2 R11#6.2 U1#16.12 U2#14.12 U3#15.12 U10.4 U10.5 U11#17.4 U11#17.5
Board_4-3V3: C3#13.2 C4#16.2 D1#18.2 J3#17.3 J3#17.4 J11#17.15 L1#20.2 R1#4.1
Board_4-5V: C13#10.2 C14#14.2 J12#8.1 J12#8.2 J12#8.3 J12#8.4 L2#5.2 R3#8.1
Board_4-/D16: J2#3.4
Board_4-/D17: J2#3.3
Board_4-/D34: J4#20.4
Board_4-/D35: J4#20.5
Board_4-/D36: J4#20.2
Board_4-/D39: J4#20.3
Board_4-/EN: J4#20.1
Board_4-/Sheet6057E9B8/D16: J11#17.10
Board_4-/Sheet6057E9B8/D17: J11#17.9
Board_4-/Sheet6057E9B8/D34: J10#4.4
Board_4-/Sheet6057E9B8/D35: J10#4.5
Board_4-/Sheet6057E9B8/D36: J10#4.2
Board_4-/Sheet6057E9B8/D39: J10#4.3
Board_4-/Sheet6057E9B8/EN: J10#4.1
Board_4-/Sheet6057E9B8/EVIN: J10#4.15
Board_4-D2: J4#20.6 J11#17.12
Board_4-D4: J1#14.5 J11#17.11
Board_4-D5: J1#14.6 J11#17.8
Board_4-D25: J2#3.2 J10#4.8
Board_4-D26: J2#3.1 J10#4.9
Board_4-GND: C2#15.1 C3#13.1 C8#9.2 C9#12.2 C10#19.2 C12#11.1 C13#10.1 C17#6.2 C22#13.2 C23#15.2 C24#5.2 J3#17.1 J3#17.2 J5#16.1 J5#16.2 J5#16.3 J5#16.4 J9#18.2 J10#4.14 J11#17.14 J13#15.1 R2.2 R4#12.2 R5#3.1 R6#15.1 R7#20.1 R8#16.1 R12#6.2 U1#20.13 U1#20.17 U2#20.13 U2#20.17 U3#16.13 U3#16.17 U10#2.2 U11#15.2
Board_4-M1A: J10#4.13 U1#20.16
Board_4-M1B: J10#4.12 U1#20.15
Board_4-M2A: J10#4.10 U1#20.10
Board_4-M2B: J10#4.7 U1#20.9
Board_4-M3A: J10#4.6 U3#16.16
Board_4-M3B: J11#17.7 U3#16.15
Board_4-M4A: J11#17.6 U3#16.10
Board_4-M4B: J11#17.1 U3#16.9
Board_4-M5A: J11#17.13 U2#20.16
Board_4-M5B: J10#4.11 U2#20.15
Board_4-M6A: J1#14.1 J11#17.2 U2#20.10
Board_4-M6B: J1#14.2 J11#17.5 U2#20.9
Board_4-Net-(C1-Pad1): C1#3.1 L1#20.1 U10#2.6
Board_4-Net-(C1-Pad2): C1#3.2 U10#2.1
Board_4-Net-(C4-Pad1): C4#16.1 R1#4.2 R2.1 U10#2.3
Board_4-Net-(C5-Pad2): C5#10.2 U1#20.11
Board_4-Net-(C6-Pad2): C6#17.2 U3#16.11
Board_4-Net-(C7-Pad2): C7#12.2 U2#20.11
Board_4-Net-(C8-Pad1): C8#9.1 U1#20.14
Board_4-Net-(C9-Pad1): C9#12.1 U3#16.14
Board_4-Net-(C10-Pad1): C10#19.1 U2#20.14
Board_4-Net-(C11-Pad1): C11#16.1 L2#5.1 U11#15.6
Board_4-Net-(C11-Pad2): C11#16.2 U11#15.1
Board_4-Net-(C14-Pad1): C14#14.1 R3#8.2 R4#12.1 U11#15.3
Board_4-Net-(D1-Pad1): D1#18.1 R5#3.2
Board_4-Net-(D2-Pad2): D2#11.2 Q1#18.1 R12#6.1
Board_4-Net-(J6-Pad1): J6#18.1 U1#20.2
Board_4-Net-(J6-Pad2): J6#18.2 U1#20.4
Board_4-Net-(J6-Pad3): J6#18.3 U1#20.5
Board_4-Net-(J6-Pad4): J6#18.4 U1#20.7
Board_4-Net-(J7-Pad1): J7#10.1 U3#16.2
Board_4-Net-(J7-Pad2): J7#10.2 U3#16.4
Board_4-Net-(J7-Pad3): J7#10.3 U3#16.5
Board_4-Net-(J7-Pad4): J7#10.4 U3#16.7
Board_4-Net-(J8-Pad1): J8#2.1 U2#20.2
Board_4-Net-(J8-Pad2): J8#2.2 U2#20.4
Board_4-Net-(J8-Pad3): J8#2.3 U2#20.5
Board_4-Net-(J8-Pad4): J8#2.4 U2#20.7
Board_4-Net-(J9-Pad1): J9#18.1 U8#10.3
Board_4-Net-(Q1-Pad3): Q1#18.3 U8#10.2
Board_4-Net-(R6-Pad2): R6#15.2 U1#20.3 U1#20.6
Board_4-Net-(R7-Pad2): R7#20.2 U3#16.3 U3#16.6
Board_4-Net-(R8-Pad2): R8#16.2 U2#20.3 U2#20.6
Board_4-Net-(R9-Pad1): R9#19.1 U2#20.1
Board_4-Net-(R10-Pad1): R10.1 U3#16.1
Board_4-Net-(R11-Pad1): R11#5.1 U1#20.1
Board_4-RX0: J1#14.4 J11#17.4
Board_4-TX0: J1#14.3 J11#17.3
Board_4-unconnected-(U1-Pad8): U1#20.8
Board_4-unconnected-(U2-Pad8): U2#20.8
Board_4-unconnected-(U3-Pad8): U3#16.8
Board_4-unconnected-(U8-Pad1): U8#10.1
Board_4-VIN: C2#15.2 C5#10.1 C6#17.1 C7#12.1 C12#11.2 C17#6.1 C22#13.1 C23#15.1 C24#5.1 D2#11.1 J14#17.1 Q1#18.2 R9#19.2 R10.2 R11#5.2 U1#20.12 U2#20.12 U3#16.12 U10#2.4 U10#2.5 U11#15.4 U11#15.5
Board_5-3V3: C3#7.2 C4#12.2 D1#17.2 J3.3 J3.4 J11#11.15 L1#8.2 R1#16.1
Board_5-5V: C13#5.2 C14#3.2 J12#7.1 J12#7.2 J12#7.3 J12#7.4 L2#7.2 R3#4.1
Board_5-/D16: J2#4.4
Board_5-/D17: J2#4.3
Board_5-/D34: J4#19.4
Board_5-/D35: J4#19.5
Board_5-/D36: J4#19.2
Board_5-/D39: J4#19.3
Board_5-/EN: J4#19.1
Board_5-/Sheet6057E9B8/D16: J11#11.10
Board_5-/Sheet6057E9B8/D17: J11#11.9
Board_5-/Sheet6057E9B8/D34: J10#16.4
Board_5-/Sheet6057E9B8/D35: J10#16.5
Board_5-/Sheet6057E9B8/D36: J10#16.2
